# Altium PCB fastcar.PcbDoc (part 4 of 6) (continued)
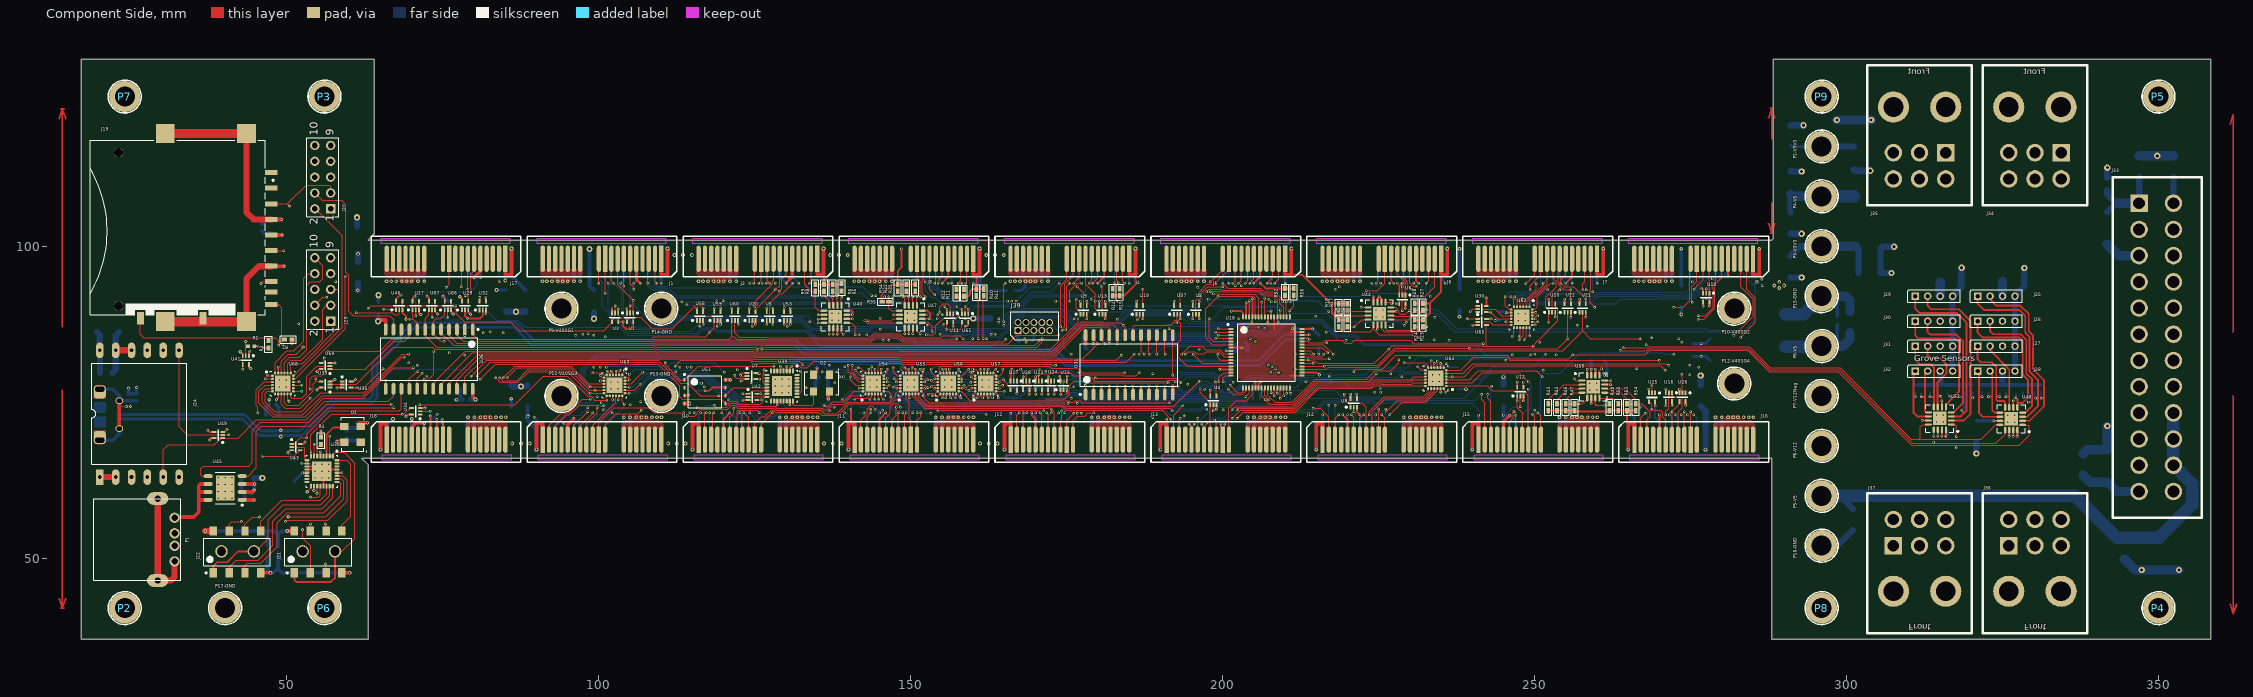
[diagram p0: Component Side view]
## Nets (pads, with @x,y where several pads share a name; then routed paths per layer and width w, separated by ;. In a path a pad name is that pad's centre, name@x,y a point inside that pad or via, vN(x,y) a via of type N, cw(c..) or ccw(c..) an arc to the next point about the centre after c; other vN are vias at no path point) (continued)
  Solder Side w0.15: v1(187.4,82.7) 189.35,84.65 199.801,84.65 201.426,86.275 208.3,86.275 210.35,88.325 215.925,88.325 218.45,85.8 221.3,85.8 222.7,84.4 235.8,84.4 v1(236.3,84.9) ; v1(272.499,73) 272.499,72.901 273,72.4 J16.B8@273,69
S16GPIO3: J16.A9 U64.5 | length 49.4
  Component Side w0.15: U64.5@235.845,79.62 238.52,79.62 240.1,81.2 271.199,81.2 v1(271.499,80.9) ; J16.A9@274,69 v1(274,73.5)
  Signal 1 w0.15: v1(271.499,80.9) 273.7,78.699 273.7,73.8 v1(274,73.5)
S16GPIO4: J16.B9 U64.6 | length 49.6
  Component Side w0.15: U64.6@235.845,80.12 238.12,80.12 240.2,82.2 245.501,82.2 246.001,81.7 v1(270,81.7)
  Signal 1 w0.15: v1(270,81.7) 272.775,78.925 272.775,73.724 v1(273.499,73)
  Solder Side w0.15: v1(273.499,73) 273.499,72.901 274,72.4 J16.B9@274,69
S16GPIO5: J16.A10 U55.7 | length 133.1
  Component Side w0.15: U55.7@151.675,76.75 152.175,76.25 152.175,75.625 152.875,74.925 171.626,74.925 171.676,74.975 171.701,74.975 171.951,75.225 174.879,75.225 175.376,75.225 175.601,75 176.1,75 176.325,75.225 177.175,75.225 177.475,74.925 v1(191.4,74.925) ; J16.A10@275,69 v1(275,73.5)
  Signal 2 w0.15: v1(191.4,74.925) 191.475,75 206.174,75 206.499,74.675 213.245,74.675 213.546,74.975 216.776,74.975 216.801,75 220.202,75 220.327,75.125 221.828,75.125 222.378,75.675 235.146,75.675 235.496,75.325 244.078,75.325 244.753,76 256.406,76 257.48,74.926 257.48,74.696 258.451,73.725 259.584,73.725 260.516,73.725 260.766,73.475 264.525,73.475 265.075,74.025 265.925,74.025 266.275,73.675 266.976,73.675 268.266,74.965 272.435,74.965 273.3,74.1 274.4,74.1 v1(275,73.5)
S16GPIO6: J16.B10 | length 4.2
  Solder Side w0.15: v1(274.5,73) 275,72.5 J16.B10@275,69
S16GPIO7: J16.A11
S16GPIO8: J16.B11 U64.7 | length 53.1
  Component Side w0.15: U64.7@235.42,80.545 235.42,80.82 v1(235.8,81.2)
  Signal 1 w0.15: v1(274.9,80.9) 275.5,80.3 v1(275.5,73)
  Signal 2 w0.15: v1(235.8,81.2) 235.9,81.1 243.509,81.1 243.684,81.275 245.576,81.275 245.846,81.545 260.604,81.545 260.924,81.225 270.374,81.225 270.724,80.875 270.874,80.875 271.323,81.325 274.475,81.325 v1(274.9,80.9)
  Solder Side w0.15: v1(275.5,73) 276,72.5 J16.B11@276,69
S16MISO: J16.B6 U16.2 | length 7.8
  Component Side w0.15: v1(271,73) 271,73.551 271.52,74.071 U16.2@271.52,76.52
  Solder Side w0.15: J16.B6@271,69 271.03,69.03 271,69.06 v1(271,73)
S16RXD: J16.A4
S16SCL: J16.A3 R54.2 U50.10 | length 13.9
  Component Side w0.15: U50.10@261.225,77.175 264.525,77.175 266.2,75.5 R54.2@266.2,74.75 267.15,74.75 268.5,73.4 268.5,72.7 268,72.2 J16.A3@268,69
S16SDA: J16.B3 R53.2 U50.9 | length 14.2
  Component Side w0.15: U50.9@261.225,76.525 263.801,76.525 264.8,75.526 R53.2@264.8,74.75 v1(265.45,74.75)
  Solder Side w0.15: v1(265.45,74.75) 265.45,74.7 265.5,74.65 265.35,74.5 265.225,74.625 267.525,74.625 267.5,74.6 267.875,74.225 ; 267.875,74.224 268.124,73.974 268.124,69.124 J16.B3@268,69
S16SIG: J16.A2 U56.7 | length 128.1
  Component Side w0.15: U56.7@157.675,76.75 158.05,76.75 159.525,75.275 171.577,75.275 171.827,75.525 174.755,75.525 175.425,76.195 175.425,77.626 176.199,78.4 178.485,78.4 178.785,78.1 v1(191.3,78.1) ; J16.A2@267,69 267,72.5 v1(267.699,73.2)
  Signal 1 w0.15: v1(266.4,80.4) 266.4,77.1 267.699,75.801 v1(267.699,73.2)
  Signal 2 w0.15: v1(201.7,78.2) 202.4,77.5 205.901,77.5 206.801,78.4 212.599,78.4 213.124,77.875 217.205,77.875 218.43,79.1 220.478,79.1 225.799,79.1 227.224,80.525 229.249,80.525 229.549,80.225 231.426,80.225 232.001,80.8 232.324,80.8 232.329,80.795 234.976,80.795 ; 234.976,80.795 235.604,80.795 235.624,80.775 243.608,80.775 243.808,80.975 245.7,80.975 245.97,81.245 260.479,81.245 260.824,80.9 265.9,80.9 v1(266.4,80.4)
  Solder Side w0.15: v1(191.3,78.1) 191.401,78.1 192.425,79.124 192.425,79.202 193.024,79.801 198.549,79.801 198.95,79.4 200.5,79.4 v1(201.7,78.2)
S16TXD: J16.B4
S17SCL: J25.1 R33.2 U48.3 | length 29.6
  Component Side w0.3: J25.1@321,92 321,90.8 322,89.8 327.7,89.8 328.65,88.85 328.65,86.1 329.35,85.4 329.35,79.9 330.7,78.55 330.7,74.4 328.975,72.675 U48.3@328.225,72.675 ; v1(330.299,75.65) 330.65,75.65
  Solder Side w0.3: R33.2@329.95,76.65 330.1,76.5 330.1,75.75 v1@330.2,75.65
S17SDA: J25.2 R7.2 U48.2 | length 29.4
  Component Side w0.3: J25.2@323,92 323,91.5 324,90.5 327.85,90.5 329.2,89.15 329.2,86.35 329.9,85.65 329.9,80.3 331.65,78.55 331.65,75.65 ; U48.2@328.225,72.025 329.325,72.025 331.65,74.35 331.65,75.65 ; v1(331.2,75.65) 331.65,75.65
  Solder Side w0.3: R7.2@331.05,76.65 331.2,76.5 v1(331.2,75.65)
S18SCL: J26.1 R36.2 U48.5 | length 23.2
  Component Side w0.3: J26.1@321,88 321,86.15 321.8,85.35 327.75,85.35 328.25,84.85 328.25,79.4 329.1,78.55 329.1,75.8 328.2,74.9 327.6,74.9 U48.5@327.375,74.675 ; v1(327.15,75.75) 327.375,75.525 U48.5@327.375,74.675 ; U48.5@327.375,74.45 U48.5@327.375,74.675
  Solder Side w0.3: v1(327.15,75.75) R36.2@327.15,76.35
S18SDA: J26.2 R10.2 U48.4 | length 23.5
  Component Side w0.3: J26.2@323,88 323,86.4 323.5,85.9 327.95,85.9 328.8,85.05 328.8,79.6 329.75,78.65 329.75,74.45 328.625,73.325 U48.4@328.225,73.325 ; v1(329.15,75) 329.7,75
  Solder Side w0.3: R10.2@328.3,76.65 328.3,75.85 v1(329.15,75)
S19SCL: J27.1 R39.2 U48.8 | length 14.4
  Component Side w0.3: J27.1@321,84 321,81.9 321.5,81.4 323.3,81.4 324,80.7 324,75.4 324.2,75.2 325.2,75.2 325.425,74.975 U48.8@325.425,74.175 ; 324,75.9 v1(324.55,75.9)
  Solder Side w0.3: v1(324.55,75.9) R39.2@324.55,76.5
S19SDA: J27.2 R13.2 U48.7 | length 12.2
  Component Side w0.3: J27.2@323,84 323,83.3 326.075,80.225 U48.7@326.075,74.175 ; v1(325.55,75.9) 326.075,75.9
  Solder Side w0.3: v1(325.55,75.9) R13.2@325.55,76.5
S20SCL: J28.1 R42.2 U48.10 | length 11.7
  Component Side w0.3: J28.1@321,80 321.25,79.75 321.25,73.25 321.825,72.675 U48.10@324.575,72.675 ; 321.3,75.9 v1(321.75,75.9)
  Solder Side w0.3: R42.2@321.6,76.65 321.75,76.5 v1(321.75,75.9)
S20SDA: J28.2 R16.2 U48.9 | length 8.9
  Component Side w0.3: v1(322.75,75.9) 323.3,75.9 ; J28.2@323,80 323.35,79.65 323.35,73.75 323.775,73.325 U48.9@324.575,73.325
  Solder Side w0.3: v1(322.75,75.9) R16.2@322.75,76.5
S21SCL: J29.2 R45.2 U52.3 | length 31.8
  Component Side w0.3: 311,92 311,90 311.7,89.3 317.7,89.3 319.2,87.8 319.2,73.6 318.9,73.3 ; U52.3@316.775,72.725 318.325,72.725 318.9,73.3 ; v1(318.5,73.7) 318.9,73.3
  Solder Side w0.3: v1(318.5,73.7) 318.85,74.05 R45.2@318.85,76.65
S21SDA: J29.1 R19.2 U52.2 | length 28.8
  Component Side w0.3: 313,92 313,90.5 313.6,89.9 318,89.9 319.85,88.05 319.85,73.1 318.825,72.075 U52.2@316.775,72.075
  Solder Side w0.3: R19.2@320.05,76.65 320.2,76.5 v1(320.2,75.7)
S22SCL: J30.1 R48.2 U52.5 | length 21.8
  Component Side w0.3: J30.1@311,88 311,85.7 311.45,85.25 317.4,85.25 318,84.65 318,76.65 316.975,75.625 ; U52.5@315.95,74.6 316.975,75.625 ; v1(316.574,75.976) 316.624,75.976 316.975,75.625
  Solder Side w0.3: R48.2@316.15,76.4 v1(316.574,75.976)
S22SDA: J30.2 R22.2 U52.4 | length 21.6
  Component Side w0.3: J30.2@313,88 313,86.25 313.4,85.85 317.6,85.85 318.65,84.8 318.65,74.85 317.175,73.375 U52.4@316.775,73.375 ; v1(318.074,75.876) 318.626,75.876
  Solder Side w0.3: R22.2@317.65,76.3 v1(318.074,75.876)
S23SCL: J31.1 R51.2 U52.8 | length 13.2
  Component Side w0.3: J31.1@311,84 311,81.8 311.75,81.05 313.5,81.05 314,80.55 U52.8@314,74.7 ; v1(313.35,75.85) 313.95,75.85 ; U52.8@313.975,74.225 U52.8@313.975,74.625
  Solder Side w0.3: v1(313.35,75.85) R51.2@313.35,76.45
S23SDA: J31.2 R25.2 U52.7 | length 13.5
  Component Side w0.3: J31.2@313,84 313,82.5 313.45,82.05 315,82.05 316,81.05 316,79.6 314.6,78.2 U52.7@314.6,74.35 ; 314.626,75.926 v1(315.124,75.926)
  Solder Side w0.3: R25.2@314.7,76.35 v1(315.124,75.926)
S24SCL: J32.1 R55.2 U52.10 | length 10.8
  Component Side w0.3: 310.75,73.4 310.75,80 J32.1@311.15,80 ; 310.75,73.9 310.75,73.3 311.325,72.725 U52.10@313.125,72.725
  Solder Side w0.3: v1(311.05,75.85) R55.2@311.05,76.45
S24SDA: J32.2 R29.2 U52.9 | length 8.5
  Component Side w0.3: v1(311.95,75.85) 312.6,75.85 ; J32.2@313,80 312.6,79.6 312.6,75.85 ; U52.9@313.125,73.375 312.775,73.375 312.6,73.55 312.6,75.85
  Solder Side w0.3: v1(311.95,75.85) R29.2@311.95,76.45
SCK: U18.36 U20.2 U22.2 U24.2 U26.2 U28.2 U30.2 U33.2 U35.2 | length 268.7
  Component Side w0.15: U33.2@56.9,77.85 U35.2@58.85,77.85 61.1,77.85 67.052,83.802 73.399,83.802 73.701,83.5 108.954,83.5 109.254,83.8 125.2,83.8 v1(125.5,83.5) ; v1(124.6,87.2) U20.2@124.6,88.1 ; v1(125.5,83.5) 125.924,83.925 126.276,83.925 126.401,83.8 170.175,83.8 171.1,84.725 v1(171.1,85.2) ; v1(170.7,80.2) 169.3,80.2 168.5,79.4 U28.2@168.5,78.4 168.5,78 168.8,77.7 172.143,77.7 172.5,78.057 U24.2@172.5,78.4 ; U18.36@212.7,80.75 v1(216.3,80.75) 216.475,80.925 224.826,80.925 227.561,83.66 v1(239.5,83.66) 239.585,83.575 253.675,83.575 v1(255.3,85.2) U22.2@255.3,89.41 ; v1(239.7,89.5) 240.15,89.95 U30.2@240.86,89.95 ; U26.2@273.7,76.51 v1@273.7,79.6
  Signal 1 w0.15: v1(124.6,87.2) 124.6,84.4 v1(125.5,83.5) ; v1(170.7,80.2) 171.1,80.6 v1(171.1,85.2) ; v1(216.3,80.75) 216.3,81.801 216.924,82.425 216.926,82.425 217.275,82.774 217.275,83.925 v1(216.7,84.5) ; v1(239.5,83.66) 239.5,87.585 239.7,87.785 v1(239.7,89.5) ; v1(268.8,85.3) 268.8,84.299 v1(273.599,79.5)
  Signal 2 w0.15: v1(171.1,85.2) 176.785,85.2 177.425,85.84 183.674,85.84 184.314,85.2 197,85.2 197.375,84.825 199.076,84.825 199.325,85.074 ; 199.325,85.075 203.599,85.075 204.349,84.325 216.525,84.325 v1(216.7,84.5) ; v1(255.3,85.2) 255.725,85.625 267.076,85.625 267.401,85.3 v1(268.8,85.3)
SCL: R52.2 U18.50 U40.12 U44.12 U47.12 U48.12 U50.12 U52.12 | length 231.3
  Component Side w0.15: U40.12@138.875,86.875 138.875,86.225 v1(139.2,85.9) ; U47.12@150.975,86.875 150.975,86.525 v1(151.5,86) ; R52.2@210,92.15 210.025,92.125 210.025,91.274 v1(210.2,91.1) ; v1@210.2,90.949 210.2,88.85 210.3,88.75 U18.50@210.25,88.7 ; U44.12@226.955,90.195 227.706,90.195 228.225,89.676 228.225,89.375 228.525,89.075 229.275,89.075 v1(229.9,89.7) ; U50.12@261.225,78.475 262.205,78.475 v1(262.22,78.46) ; v1(264.2,83.7) 268.001,83.7 268.201,83.9 284.388,83.9 287.798,80.49 298.96,80.49 310.4,69.05 311.61,69.05 ; U52.12@313.125,71.425 312.225,71.425 311.85,71.05 311.85,69.29 311.61,69.05 ; U48.12@324.575,71.375 323.875,71.375 321.55,69.05 311.61,69.05
  Signal 1 w0.15: v1(229.9,89.7) 229.9,82.2 v1(230,82.1) ; v1(262.22,78.46) 264.2,80.44 v1(264.2,83.7)
  Signal 2 w0.15: v1(210.2,91.1) 210.723,90.576 221.126,90.576 221.475,90.925 226.1,90.925 226.825,90.2 228.609,90.2 229,90.591 229.4,90.591 229.9,90.091 v1(229.9,89.7) ; v1(230,82.1) 230.245,82.345 234.68,82.345 234.825,82.2 244.874,82.2 245.099,82.425 245.7,82.425 245.95,82.175 252.05,82.175 253,83.125 254.85,83.125 255.9,82.075 259.475,82.075 261.125,83.725 264.175,83.725 v1(264.2,83.7)
  Solder Side w0.15: v1(139.2,85.9) 139.575,86.275 144.624,86.275 144.924,85.975 146.649,85.975 147.274,86.6 150.9,86.6 v1(151.5,86) 151.5,85.5 152.125,84.875 156.474,84.875 157.299,85.7 159.074,85.7 159.299,85.925 159.7,85.925 160.3,85.925 162.176,85.925 162.626,85.475 164.175,85.475 166.115,87.415 166.115,88.215 166.745,88.845 167.372,88.845 168.327,89.8 174.175,89.8 176.25,87.725 183.201,87.725 184.676,89.2 193.8,89.2 194.775,88.225 ; 194.775,88.224 195.024,87.975 197.976,87.975 200.201,90.2 209.401,90.2 210.2,90.999 v1(210.2,91.1)
SDA: R56.2 U18.49 U40.13 U44.13 U47.13 U48.13 U50.13 U52.13 | length 226.4
  Component Side w0.15: U40.13@139.725,87.685 140.494,87.685 141.2,86.979 141.1,86.878 v1(141.1,85.8) ; U47.13@151.825,87.725 152.776,87.725 153.6,86.901 153.3,86.601 153.4,86.501 v1(153.4,86.3) ; U18.49@210.75,88.7 v1(210.75,89.7) 211.4,90.35 R56.2@211.4,92.15 ; U44.13@226.105,91.045 226.854,91.045 v1(227.1,90.8) ; U50.13@260.375,79.325 260.375,80.015 v1(260.72,80.36) ; v1(263.72,83.3) 263.745,83.275 268,83.275 268.325,83.6 284.264,83.6 287.674,80.19 298.791,80.19 310.581,68.4 323.95,68.4 325.425,69.875 U48.13@325.425,70.525 ; v1(313.975,69.575) U52.13@313.975,70.575
  Signal 1 w0.15: v1(226.9,79.6) 226.175,80.325 226.175,83.676 226.8,84.301 v1(226.8,87.1) 227.1,87.4 v1(227.1,90.8) ; v1(260.72,80.36) 260.78,80.36 v1(263.72,83.3) ; v1(313.95,68.6) 313.95,68.45 314,68.4 ; v1@313.975,68.425 v1(313.975,69.575)
  Signal 2 w0.15: v1(141.1,85.8) 141.275,85.625 ; 141.275,85.624 141.524,85.375 ; 141.525,85.375 141.9,85 143.6,85 143.925,85.325 145.725,85.325 146.825,86.425 150.478,86.425 151.324,86.425 151.676,86.425 151.776,86.425 151.976,86.225 153.475,86.225 v1(153.4,86.3) 153.5,86.2 153.625,86.325 155.051,86.325 155.401,85.975 156.1,85.975 156.55,86.425 161.249,86.425 161.449,86.625 162.6,86.625 163.8,86.625 164.949,86.625 166.869,88.545 174.955,88.545 175.825,87.675 183.42,87.675 183.77,88.025 185.874,88.025 186.124,87.775 188.976,87.775 189.401,88.2 192.701,88.2 193.026,87.875 195.199,87.875 195.799,87.275 198.375,87.275 198.875,87.775 202.975,87.775 204.3,89.1 210.15,89.1 v1(210.75,89.7) 214.9,89.7 215.9,88.7 218.899,88.7 220.924,86.675 223.581,86.675 224.041,87.135 226.765,87.135 v1(226.8,87.1) ; v1(226.9,79.6) 227.525,80.225 229.125,80.225 229.425,79.925 231.55,79.925 232.12,80.495 235.1,80.495 235.479,80.495 235.5,80.475 243.733,80.475 243.932,80.675 245.824,80.675 246.094,80.945 260.135,80.945 v1(260.72,80.36)
SDCARD: J19.10 R2.1 U68.15 | length 16.8
  Component Side w0.15: J19.10@47.5,90.675 48.625,90.675 49.1,90.2 ; v1@49.15,84.25 49.15,90.15 ; U68.15@51.025,77.75 v1(52.4,77.75)
  Signal 1 w0.15: v1@49.248,84.152 52.477,80.923 v1@52.477,77.827
  Signal 2 w0.15: v1@49.248,84.198 v1(49.3,84.25)
SDMISO: J19.7 R1.1 U41.2 | length 14.4
  Component Side w0.15: U41.2@43.4,82.45 v3(43.4,84.75) ; v3(45.85,94.05) 46.175,94.375 J19.7@47.5,94.375
  Signal 1 w0.15: v3(43.4,84.75) 43.4,84.8 45.85,87.25 v3(45.85,94.05)
SDWP: J19.12 R3.1 U68.16 | length 34
  Component Side w0.15: J19.12@26.5,88.425 26.5,85.9 27.05,85.35 48.15,85.35 48.65,84.85 v1(48.65,84.1) ; U68.16@51.025,78.25 v1(52,78.25)
  Signal 1 w0.15: v1(48.65,84.1) 52.05,80.7 v1@52.05,78.3
SG1CK: J1.A7 J2.A7 J3.A7 J4.A7 U20.4 | length 99.7
  Component Side w0.15: v1(104,93.6) J1.A7@104,98 ; U20.4@125.1,89.5 125.1,89.8 U20.4@125.175,89.875 ; U20.4@125.176,89.875 v1(128.3,93) 128.975,93.675 128.975,97.975 J2.A7@129,98 ; v1@153.8,94.101 154,94.301 J3.A7@154,98 ; J3.A7@153.9,98 J3.A7@153.9,98.1 ; v1(178.6,94.1) 178.6,94.124 179,94.524 J4.A7@179,98
  Signal 2 w0.15: v1(104,93.6) 105.8,93.6 106.025,93.375 127.925,93.375 v1(128.3,93) 128.675,93.375 130.399,93.375 130.674,93.1 134.6,93.1 135.375,93.875 151.923,93.875 152.098,93.7 153.4,93.7 v1(153.8,94.1) ; v1@153.8,94.101 154.224,94.525 155.176,94.525 155.575,94.126 155.575,93.924 155.824,93.675 164.152,93.675 164.827,93 177.5,93 v1(178.6,94.1)
SG1MOSI: J1.A6 J2.A6 J3.A6 J4.A6 U19.4 | length 106.1
  Component Side w0.15: J1.A6@105,98 105,94 105.6,93.4 v1(105.6,93.1) ; v1(128.9,92.8) 129.275,93.175 129.275,94.775 130,95.5 J2.A6@130,98 ; v1@154.375,94.1 154.375,94.575 155,95.2 J3.A6@155,98 ; v1@154.4,94 v1(154.4,94.1) ; v1(179.2,94.1) 180,94.9 J4.A6@180,98 ; U19.4@187.2,90.5 v1(187.2,93.1)
  Signal 2 w0.15: v1(105.6,93.1) 105.625,93.075 112.6,93.075 113.1,92.575 128.675,92.575 v1(128.9,92.8) 134.799,92.8 135.574,93.575 150.2,93.575 150.375,93.4 153.701,93.4 v1(154.4,94.1) 155.124,93.375 164.028,93.375 164.703,92.7 177.801,92.7 v1(179.2,94.1) 180.225,93.075 187.175,93.075 v1(187.2,93.1)
SG2CK: J5.A7 J6.A7 J7.A7 J8.A7 U22.4 | length 105.4
  Component Side w0.15: v1(203.6,94.1) 204,94.5 J5.A7@204,98 ; J6.A7@229,98 229,94.925 229.59,94.335 229.59,93.81 v1(230.3,93.1) ; J7.A7@254,98 253.774,97.774 253.774,93.924 254.698,93 v1(255.8,93) ; U22.4@255.8,90.8 v1(255.8,91.5) v1@255.8,92.8 ; v1(276.2,88.9) 277.324,88.9 278.6,90.176 278.6,94.024 279,94.424 J8.A7@279,98
  Signal 2 w0.15: v1(203.6,94.1) 204.337,93.363 206.989,93.363 207.576,92.775 212.92,92.775 213.319,92.376 220.381,92.376 221.33,93.325 226.076,93.325 226.626,92.775 229.975,92.775 v1(230.3,93.1) 248.725,93.1 249.25,93.625 249.5,93.625 249.925,93.2 251.535,93.2 251.76,93.425 252.32,93.425 252.545,93.2 253.599,93.2 253.824,93.425 255.375,93.425 v1(255.8,93) ; v1(255.8,91.5) 256.225,91.925 258.376,91.925 258.501,91.8 273.123,91.8 273.3,91.623 273.3,91.6 276,88.9 v1(276.2,88.9)
SG2MOSI: J5.A6 J6.A6 J7.A6 J8.A6 U21.4 | length 102.5
  Component Side w0.15: v1(204.3,94.1) 205,94.8 J5.A6@205,98 ; J6.A6@230,98 230,94.099 230.499,93.6 v1(231,93.6) ; J7.A6@255,98 255,95.5 254.2,94.7 v1(254.2,94.1) 254.799,93.5 256.301,93.5 258.2,91.601 v1(258.2,91.5) U21.4@258.2,90.8 ; v1(276.2,88.3) 277.149,88.3 278.9,90.051 278.9,93.9 280,95 J8.A6@280,98
  Signal 2 w0.15: v1(204.3,94.1) 204.737,93.663 207.113,93.663 207.701,93.075 213.044,93.075 213.443,92.676 220.257,92.676 221.206,93.625 226.2,93.625 226.75,93.075 228.976,93.075 229.501,93.6 v1(231,93.6) 231.025,93.575 248.756,93.575 248.766,93.565 249.126,93.925 249.625,93.925 249.985,93.565 251.476,93.565 251.636,93.725 252.444,93.725 252.584,93.585 253.185,93.585 253.7,94.1 v1(254.2,94.1) ; v1(258.2,91.5) 272.999,91.5 273,91.499 273,91.476 276.176,88.3 v1(276.2,88.3)
SG3CK: J9.A7 J10.A7 J11.A7 J12.A7 U24.4 | length 107.2
  Component Side w0.15: J9.A7@97,69 97,71.25 99,73.25 v1(99,73.3) ; J10.A7@122,69 122.175,69.175 122.175,73.5 122.375,73.7 122.399,73.7 122.424,73.725 125.275,73.725 v1(125.7,73.3) ; J11.A7@147,69 147,72.2 147.675,72.875 147.675,74.175 v1(147.7,74.2) ; v1(171.8,73.3) 172,73.1 J12.A7@172,69 ; v1(172,76.3) U24.4@172,77
  Signal 1 w0.15: v1(171.8,73.3) 171.975,73.475 ; 171.975,73.476 172,73.501 v1(172,76.3)
  Signal 2 w0.15: v1(99,73.3) 99.3,73 101.299,73 102,73.701 102.352,73.701 102.601,73.452 102.601,72.775 103.601,71.775 110.975,71.775 112.925,73.725 115.55,73.725 115.875,73.4 115.875,73.124 116.199,72.8 125.2,72.8 v1(125.7,73.3) ; v1(137,73.6) 137,74.4 137.024,74.424 137.23,74.424 137.432,74.625 138.425,74.625 139.025,74.025 139.7,74.025 140.1,74.425 144.801,74.425 145.051,74.175 147.675,74.175 v1(147.7,74.2) ; v1(162.1,73.1) 164.8,73.1 165.125,72.775 171.375,72.775 171.8,73.2 v1(171.8,73.3)
  Solder Side w0.15: v1(125.7,73.3) 126.525,72.475 128.133,72.475 128.858,73.2 136.6,73.2 v1(137,73.6) ; v1(147.7,74.2) 147.7,74.826 147.874,75 148.626,75 149.201,74.425 152.002,74.425 152.227,74.2 154.424,74.2 155.324,73.3 161.9,73.3 v1(162.1,73.1)
SG3MOSI: J9.A6 J10.A6 J11.A6 J12.A6 U23.4 | length 104.3
  Component Side w0.15: J9.A6@96,69 96,71.3 v1(98.2,73.5) ; J10.A6@121,69 121,72.6 121.6,73.2 v1(121.6,74.025) ; J11.A6@146,69 146,72.5 146.7,73.2 146.7,74.275 147.2,74.775 147.925,74.775 148.3,74.4 v1(148.3,74.2) ; v1(154.3,73.6) 154.425,73.725 170.315,73.725 v1(170.73,73.31) 171,73.04 J12.A6@171,69 ; v1(170,76.3) 170,76.2 U23.4@170,77
  Signal 1 w0.15: v1(170,76.3) 170.73,75.57 v1(170.73,73.31)
  Signal 2 w0.15: v1(98.2,73.5) 98.5,73.8 99.2,73.8 99.7,73.3 101.175,73.3 101.875,74.001 102.476,74.001 102.901,73.576 102.901,72.957 103.783,72.075 104.225,72.075 110.675,72.075 112.7,74.1 115,74.1 115.425,74.525 116.075,74.525 116.575,74.025 v1(121.6,74.025) 128.472,74.025 128.772,73.725 136.175,73.725 137.025,72.875 146.575,72.875 147.475,73.775 147.876,73.775 v1@148.3,74.199
  Solder Side w0.15: v1(148.3,74.2) 149.002,74.2 149.077,74.125 151.878,74.125 152.103,73.9 154.1,73.9 154.4,73.6 v1(154.3,73.6)
SG4CK: J13.A7 J14.A7 J15.A7 J16.A7 U26.4 | length 96.6
  Component Side w0.15: J13.A7@197,69 197.025,69.025 197.025,71.1 197.5,71.575 v1(197.5,71.8) ; J14.A7@222,69 222,72.399 v1(222.6,72.999) ; J15.A7@247,69 v1(247,72.9) ; J16.A7@272,69 271.975,69.025 J16.A7@271.975,70 ; J16.A7@272,69.975 J16.A7@271.975,70 ; U26.4@273.2,75.11 273.2,74.7 v1(272,73.5) 272.024,73.476 272.024,70.049 J16.A7@271.975,70
  Signal 2 w0.15: v1(197.5,71.8) 197.625,71.675 198.876,71.675 199.126,71.925 202.583,71.925 203.932,73.275 205.101,73.275 205.176,73.2 205.424,73.2 205.499,73.275 205.778,73.275 205.878,73.175 210.3,73.175 210.5,72.975 212.1,72.975 213.4,71.675 221.276,71.675 v1(222.6,72.999) 222.701,72.999 223.3,72.4 228.058,72.4 228.783,73.125 234.825,73.125 235.125,73.425 246.174,73.425 246.699,72.9 v1(247,72.9) 249.199,72.9 249.424,72.675 252.599,72.675 253.324,73.4 257.927,73.4 258.202,73.125 259.833,73.125 260.267,73.125 260.517,72.875 264.774,72.875 265.324,73.425 265.676,73.425 266.026,73.075 267.224,73.075 267.274,73.024 ; 267.274,73.024 267.523,72.775 268.276,72.775 269.001,73.5 v1(272,73.5)
SG4MOSI: J13.A6 J14.A6 J15.A6 J16.A6 U25.4 | length 96.6
  Component Side w0.15: J13.A6@196,69 v1(196,72.4) ; v1(220.6,73) 221,72.6 J14.A6@221,69 ; J15.A6@246,69 246,71.9 246.575,72.475 246.575,73.675 246.7,73.549 v1(246.7,73.5) ; U25.4@268.32,75.1 268.8,74.62 v1(268.8,73.9) 269,73.7 270.1,73.7 270.525,73.275 270.525,72.576 271,72.101 J16.A6@271,69
  Signal 2 w0.15: v1(196,72.4) 198.399,72.4 198.524,72.525 198.876,72.525 199.001,72.401 200.526,72.401 201.2,73.075 202.6,73.075 203.1,73.575 205.902,73.575 206.002,73.475 213.576,73.475 214.75,72.3 219.901,72.3 v1(220.6,73) ; v1(220.6,73) 221.399,73 221.824,73.425 234.701,73.425 235.001,73.725 246.475,73.725 v1(246.7,73.5) 247.05,73.5 247.275,73.275 248.575,73.275 249.425,74.125 250.6,74.125 251,73.725 258.026,73.725 258.326,73.425 259.708,73.425 260.392,73.425 260.642,73.175 264.65,73.175 265.2,73.725 265.8,73.725 266.15,73.375 267.1,73.375 267.625,73.9 v1(268.8,73.9)
SG5CK: U28.4 U54.10 U55.10 U56.10 U57.10 | length 25.8
  Component Side w0.15: U54.10@145.675,78.25 v1(146.25,78.25) ; U55.10@151.725,78.2 U55.10@151.675,78.25 v1(152.2,78.25) ; U56.10@157.675,78.25 v1(158.2,78.25) ; U57.10@163.675,78.25 163.775,78.15 164.15,78.15 v1(164.2,78.2) ; U28.4@168,77 v1(168,77.6)
  Solder Side w0.15: v1(146.25,78.25) 146.85,78.25 147.275,77.825 147.876,77.825 148.026,77.974 151.924,77.974 v1(152.2,78.25) 152.45,78 157.95,78 v1(158.2,78.25) 158.851,78.25 159.326,77.775 159.875,77.775 160.1,78 163.95,78 164.15,78.2 v1(164.2,78.2) 164.225,78.175 167.425,78.175 v1(168,77.6)
SG5MOSI: U27.4 U54.11 U55.11 U56.11 U57.11 | length 25.4
  Component Side w0.15: U54.11@145.675,78.75 146.15,78.75 v1(146.25,78.85) ; U55.11@151.675,78.75 152.55,78.75 v1(152.7,78.6) ; U56.11@157.675,78.75 158.15,78.75 v1(158.2,78.8) ; U57.11@163.675,78.75 163.791,78.75 163.941,78.6 163.999,78.6 164.024,78.625 164.875,78.625 v1(164.9,78.6) 164.9,78.55 165.45,78 165.45,77.75 166,77.2 U27.4@166,77
  Solder Side w0.15: v1(146.25,78.85) 146.849,78.85 147.174,79.175 150.173,79.175 152.225,79.175 v1@152.7,78.7 ; v1(152.7,78.6) 153.275,79.175 157.825,79.175 v1(158.2,78.8) 158.325,78.675 159.523,78.675 159.876,78.675 160.125,78.924 160.225,79.025 164.575,79.025 164.9,78.7 v1(164.9,78.6)
SG6CK: J17.A7 U30.4 U62.10 U63.10 U64.10 | length 211
  Component Side w0.15: v1(79,93.1) 79.1,93 79,92.9 J17.A7@79,98 ; v1(85.3,78.9) 86.9,80.5 95.409,80.5 98.459,77.45 v1(98.65,77.45) U63.10@100.825,77.45 ; U64.10@233.92,80.545 v1(233.92,81.22) ; U30.4@242.26,89.45 v1(242.95,89.45) 242.957,89.45 244.027,88.38 U62.10@246.255,88.38 244.06,88.38
  Signal 1 w0.15: v1(79,93.1) 79,90.8 79.1,90.7 79.05,90.65 85.3,84.4 v1(85.3,78.9) ; v1(233.92,81.22) 233.92,84.379 233.475,84.824 233.475,88.075 v1(234,88.6)
  Signal 2 w0.15: v1(234,88.6) 234.725,87.875 241.275,87.875 242.85,89.45 v1(242.95,89.45)
  Solder Side w0.15: v1(98.65,77.45) 97.8,78.3 97.8,80.151 99.824,82.175 130.55,82.175 131.3,81.425 171.225,81.425 173.026,79.625 173.174,79.625 175.327,79.625 178.551,76.4 189.479,76.4 189.929,76.85 193.125,76.85 193.4,76.575 195,76.575 196.05,77.625 197.176,77.625 197.476,77.325 198.176,77.325 198.576,76.925 199.122,76.925 200.022,76.025 201.774,76.025 204.473,78.725 206.276,78.725 206.44,78.561 212.535,78.561 213,79.025 215.203,79.025 215.303,78.925 216.774,78.925 216.924,78.775 217.276,78.775 217.476,78.975 227.874,78.975 228.524,79.625 228.876,79.625 228.901,79.6 232.3,79.6 v1(233.92,81.22)
SG6MOSI: J17.A6 U29.4 U62.11 U63.11 U64.11 | length 210.5
  Component Side w0.15: v1(78.55,92.1) 78.901,92.1 ; U29.4@79.05,91.564 79.05,92.15 79,92.1 78.901,92.1 ; J17.A6@80,98 80,96.042 79.475,95.517 79.475,93.326 79.525,93.276 79.525,92.724 78.901,92.1 ; v1(84.1,78.9) 84.275,78.725 ; 84.275,78.724 84.524,78.475 86.876,78.475 88.601,80.2 95.285,80.2 98.535,76.95 v1(99.45,76.95) U63.11@100.825,76.95 ; U64.11@233.42,80.545 v1(233.42,81.62) ; v1(245.4,87.9) 246.235,87.9 U62.11@246.255,87.88
  Signal 1 w0.15: v1(78.55,92.1) 78.55,90.65 82.175,87.025 82.175,86.124 84.1,84.199 v1(84.1,78.9) ; v1(245.4,81.7) 245.4,87.834 245.433,87.867 v1(245.4,87.9)
  Solder Side w0.15: v1(99.45,76.95) 98.549,76.95 98.225,77.274 98.225,77.299 97.5,78.024 97.5,80.276 99.699,82.475 130.675,82.475 131.425,81.725 131.875,81.725 170.751,81.725 171.35,81.725 173.15,79.925 175.451,79.925 177.251,78.125 186.95,78.125 188.075,77 189.501,77 189.651,77.15 193.249,77.15 193.524,76.875 194.876,76.875 195.926,77.925 197.3,77.925 197.6,77.625 198.3,77.625 198.7,77.225 199.246,77.225 200.146,76.325 201.649,76.325 204.349,79.025 206.4,79.025 206.564,78.861 212.411,78.861 212.875,79.325 214.683,79.325 215.283,79.925 215.717,79.925 216.242,79.4 216.699,79.4 216.924,79.625 217.276,79.625 217.501,79.4 222.901,79.4 223.526,80.025 228.9,80.025 229.025,79.9 231.601,79.9 233.321,81.62 v1(233.42,81.62) 233.805,82.005 234.596,82.005 234.601,82 245.099,82 v1(245.4,81.7)
SG7CK: J19.5 J20.5 J23.2 U33.4 U68.10 | length 54.8
  Component Side w0.15: J19.5@47.5,99.305 v1(49.495,99.305) ; U68.10@49.6,76.325 49.6,75.086 49.6,74.9 50,74.5 51.907,74.5 54.25,76.843 54.25,78 54.6,78.35 ; v1(54.6,78.75) 54.6,78.35 ; U33.4@55.5,78.35 54.6,78.35
  Component Side w0.3: J23.2@54.35,87.89 J23.2@54.46,88
  Signal 1 w0.15: v1(51.85,87.6) 51.85,82.95 53.35,81.45 53.35,80 v1(54.6,78.75)
  Signal 2 w0.15: v1(49.495,99.305) 51.145,99.305 51.75,98.7 ; J23.2@54.46,88 52.25,88 v1(51.85,87.6) 51.85,108.65 53,109.8 56,109.8 57,110.8 J20.5@56.9,110.9
SG7MOSI: J19.2 J20.3 J23.6 U32.4 U68.11 | length 81.4
  Component Side w0.15: J19.2@47.5,106.805 50.055,106.805 ; U68.11@50.1,76.325 50.1,75.35 50.35,75.1 v3(50.35,75.15) ; v3(50.4,106.46) 50.055,106.805 ; J20.3@57,108.54 57,109.6 56.8,109.8 53.05,109.8 50.055,106.805
  Component Side w0.254: U32.4@81.89,91.18 v1(81.89,91.73)
  Signal 1 w0.15: v3(50.4,106.46) 51.35,105.51 51.35,82.75 52.9,81.2 52.9,76.15 51.9,75.15 v3(50.35,75.15) v3@50.427,75.073 ; 51.35,93.1 54.44,93.1 J23.6@54.46,93.08 ; v1(57.79,94.34) 63.36,94.34 63.825,93.875 73.175,93.875 73.825,94.525 79.095,94.525 v1(81.89,91.73)
  Signal 2 w0.15: J23.6@54.46,93.08 55.72,94.34 v1(57.79,94.34)